# Altium PCB 2013_FDP_PCB.PcbDoc (part 2 of 2)
Units mil, origin at the board's own origin, x right, y up, seen from the top; angles counter-clockwise.
Board outline 2770 x 10236.22 mil, 4 copper layers (1-TOP, 2-GND, 3-SIGNAL, 4-BOT); 190 components, 185 nets, 812 pads, 235 vias.
Unrouted connection lines stored in the file: 2.
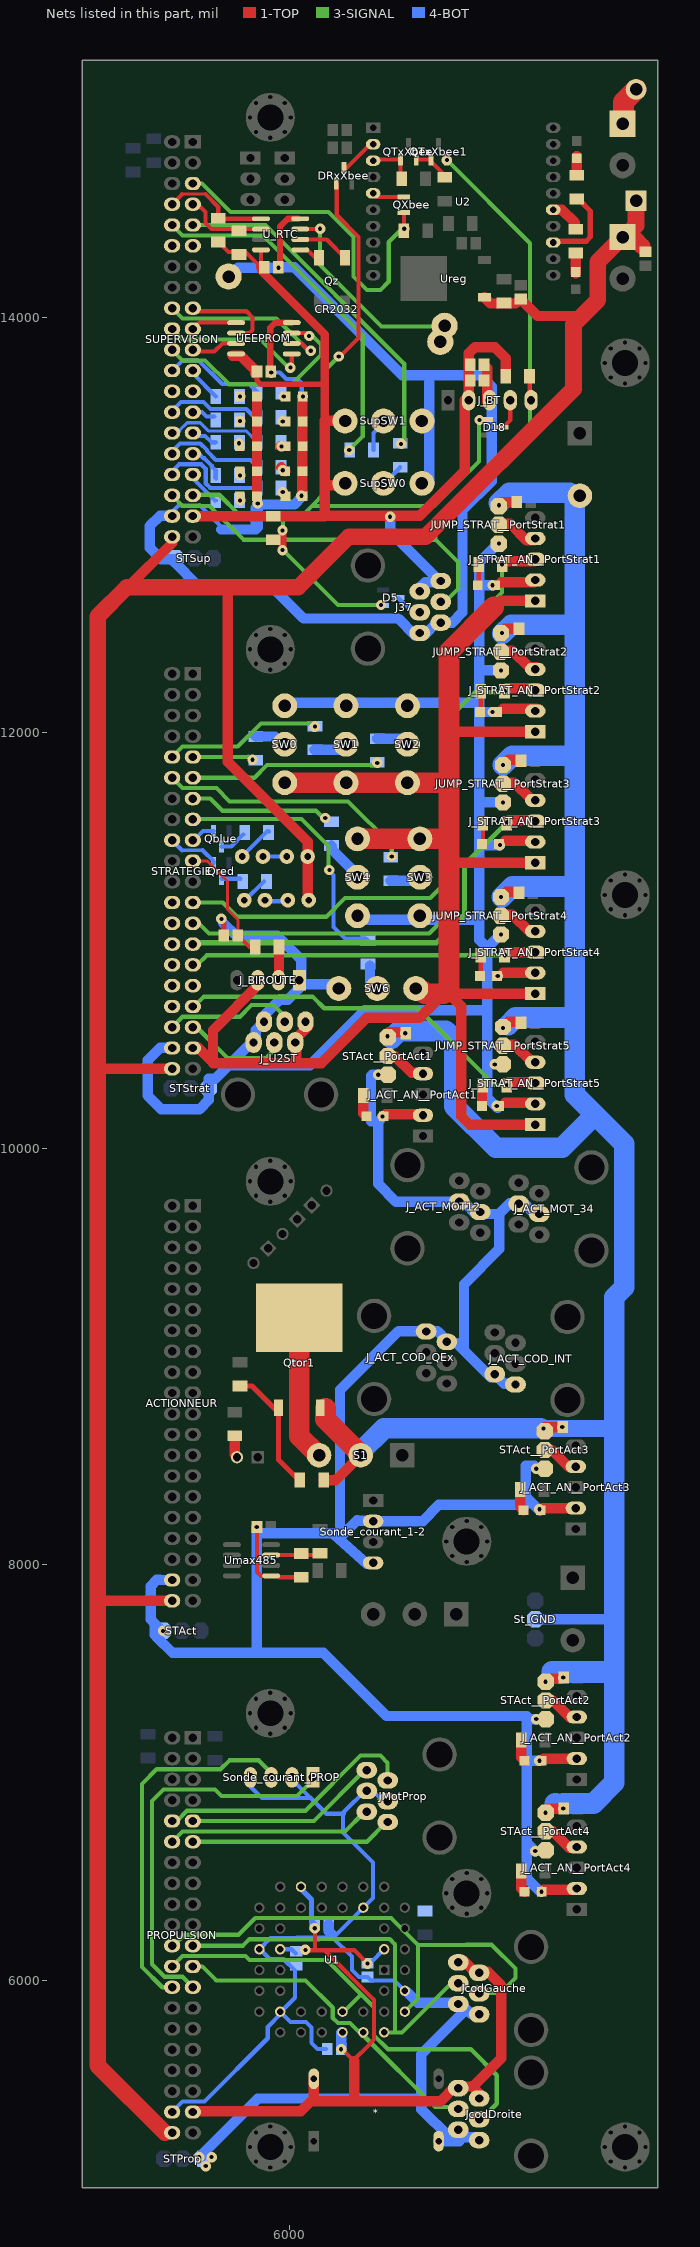
[diagram p4: the nets of this part, all layers, seen from the top]

## Via types
v1: diameter 50, hole 20, 1-TOP to 4-BOT, 235 vias

## Nets (pads, with @x,y where several pads share a name; then routed paths per layer and width w, separated by ;. In a path a pad name is that pad's centre, name@x,y a point inside that pad or via, vN(x,y) a via of type N, cw(c..) or ccw(c..) an arc to the next point about the centre after c; other vN are vias at no path point) (continued)
GND_24: Cd24strat_PortStrat1.2 Cd24strat_PortStrat2.2 Cd24strat_PortStrat3.2 Cd24strat_PortStrat4.2 Cd24strat_PortStrat5.2 CdAct__PortAct1.2 CdAct__PortAct2.2 CdAct__PortAct3.2 CdAct__PortAct4.2 JalimeBlal24V.2 JUMP_STRAT__PortStrat1.3 JUMP_STRAT__PortStrat2.3 JUMP_STRAT__PortStrat3.3 JUMP_STRAT__PortStrat4.3 JUMP_STRAT__PortStrat5.3 Qtor1.3 Rp_act1.2 S1.2 St_GND.2 STAct__PortAct1.3 STAct__PortAct2.3 STAct__PortAct3.3 STAct__PortAct4.3 | length 13356.6
  1-TOP w50: Rp_act1.2@6162.09,8405 6221,8405 S1.2@6320,8504 ; STAct__PortAct1.3@6460,10545 6475,10560 CdAct__PortAct1.2@6551.54,10560 ; STAct__PortAct1.3@6470,10535 STAct__PortAct1.3@6490,10555 ; JUMP_STRAT__PortStrat1.3@7005,13090 v1(7005,13095) 7020,13110 Cd24strat_PortStrat1.2@7091.54,13110 ; v1(7015,11210) 7040,11235 Cd24strat_PortStrat4.2@7096.54,11235 ; JUMP_STRAT__PortStrat2.3@7015,12480 7035,12500 Cd24strat_PortStrat2.2@7101.54,12500 ; JUMP_STRAT__PortStrat5.3@7025,10585 7050,10610 Cd24strat_PortStrat5.2@7106.54,10610 ; v1(7025,11845) 7050,11870 Cd24strat_PortStrat3.2@7106.54,11870 ; STAct__PortAct3.3@7210,8645 7225,8660 CdAct__PortAct3.2@7301.54,8660 ; STAct__PortAct2.3@7215,7435 7230,7450 CdAct__PortAct2.2@7306.54,7450 ; STAct__PortAct4.3@7225,6810 7240,6825 CdAct__PortAct4.2@7316.54,6825
  1-TOP w100: 6171,8751 6171,8697.46 S1.2@6348,8520.46
  3-SIGNAL w50: v1(7219,8653) v1@7220,8630
  4-BOT w50: St_GND.2@7180,7735 7555,7735 ; v1@7206,8654 v1(7219,8653)
  4-BOT w80: v1(7219,8653) 7554,8653
  4-BOT w100: S1.2@6338,8540 6452,8654 v1@7206,8654 ; v1@6490,10530 6525,10565 6750,10565 6790,10525 6790,10205 6991,10004 7309,10004 7451,10146 ; v1@7005,13105 7055,13155 7345,13155 7370,13130 7370,10260 7608,10022 7608,9948 ; v1@7020,11210 7070,11260 7345,11260 ; v1@7022.5,12477.5 7065,12520 7345,12520 ; v1(7025,11845) 7070,11890 7345,11890 ; 7050,10595 7085,10630 7345,10630 ; 7260,7485 7560,7485 ; 7275,6850 7280,6850 ; 7315,6850 7460,6850 7560,6950 7560,7485 ; 7315,7480 7555,7480 ; 7608,9939 7608,9333 7560,9285 7560,7485
  other v1: 7230,6805 7315,6825 7230,7435 7315,7455 7310,8660 6470,10540 6555,10555 7025,10580 7020,12480
GND_ACT: ACTIONNEUR.38 Cd_MAX485.1 D_Act_PortAct1.2 D_Act_PortAct2.2 D_Act_PortAct3.2 D_Act_PortAct4.2 J_ACT_AN__PortAct1.2 J_ACT_AN__PortAct2.2 J_ACT_AN__PortAct3.2 J_ACT_AN__PortAct4.2 J_ACT_COD_INT.5 J_ACT_COD_INT.6 J_ACT_COD_QEx.5 J_ACT_COD_QEx.6 J_ACT_MOT12.3 J_ACT_MOT12.4 J_ACT_MOT_34.3 J_ACT_MOT_34.4 Rb485-.1 Sonde_courant_1-2.2 Sonde_courant_1-2.4 STAct.1 STAct__PortAct1.1 STAct__PortAct2.1 STAct__PortAct3.1 STAct__PortAct4.1 Umax485.5 | length 11008.3
  1-TOP w20: Cd_MAX485.1@5841.54,8179.41 5841.54,7962.87 5860,7944.41 Umax485.5@5909.49,7944.41 ; Umax485.5@5947.09,7937.91 Rb485-.1@6055,7937.91
  1-TOP w50: D_Act_PortAct1.2@6451.34,10155 6461.34,10165 J_ACT_AN__PortAct1.2@6620,10165 ; J_ACT_MOT12.4@6815,9745 J_ACT_MOT12.4@6835,9745 ; J_ACT_MOT12.3@6905,9695 J_ACT_MOT12.3@6915,9695 ; D_Act_PortAct3.2@7206.34,8260 7216.34,8270 J_ACT_AN__PortAct3.2@7375,8270 ; D_Act_PortAct4.2@7211.34,6425 7221.34,6435 J_ACT_AN__PortAct4.2@7380,6435 ; D_Act_PortAct2.2@7211.34,7055 7221.34,7065 J_ACT_AN__PortAct2.2@7380,7065
  4-BOT w50: 5350,7660 5350,7715 ; 5360,7650 5435,7575 5840,7575 ; STAct.1@5385,7680 5350,7715 ; ACTIONNEUR.38@5433.07,7924.41 5375.59,7924.41 5375,7925 5360,7925 5330,7895 5330,7735 5350,7715 ; v1(5840,8180) 5840,8150 ; 6213,8142 Sonde_courant_1-2.4@6370,8002 ; 6268.5,8156.5 6241,8184 6241,8840 6522,9121 6710,9121 J_ACT_COD_QEx.5@6753,9078 ; 6319,8207 6262,8150 5840,8150 ; 6323,8211 6322,8210 6397,8210 Sonde_courant_1-2.2@6400,8207 ; Sonde_courant_1-2.2@6400,8208 6638,8208 6716,8286 7135,8286 7135,8475 ; v1@6450,10155 6425,10130 ; 6455,10355 v1(6425,10355) 6395,10355 6390,10350 6390,10130 6425,10130 ; J_ACT_COD_QEx.5@6802.5,9062.5 6837.5,9027.5 ; J_ACT_MOT12.4@6815,9745 6510,9745 6425,9830 6425,10130 ; J_ACT_MOT12.4@6845,9735 J_ACT_MOT12.3@6895,9685 ; J_ACT_MOT12.3@6915,9685 6990,9685 ; J_ACT_COD_INT.5@6965,8900 6837.5,9027.5 ; J_ACT_COD_INT.5@6977.5,8922.5 J_ACT_COD_INT.5@6985,8915 7031,8869 J_ACT_COD_INT.6@7097,8869 ; 7145,7055 v1(7200,7055) ; J_ACT_MOT_34.4@7173,9689 7126,9736 7057,9736 7007,9686 7007,9517 6837.5,9347.5 6837.5,9027.5 ; v1@7175,8475 7135,8475 ; v1(7180,6620) 7140,6660 ; v1(7185,7255) 7140,7255 ; v1@7200,8260 7135,8325 7135,8475 ; v1@7205,6425 7140,6490 7140,6660 ; 5840,7575 6160,7575 6465,7270 7140,7270 7140,7255 ; 5840,7575 5840,8150 ; 7140,6660 7140,7255
  other v1: 7210,6425 5390,7679.41 7200,8265 7185,8460 6445,10155
GND_PROP: *.7 Cd1_CPLD.1 Cd2_CPLD.1 Cd3_CPLD.1 Cd4_CPLD.1 JcodDroite.5 JcodDroite.6 JcodGauche.5 JcodGauche.6 JMotProp.3 JMotProp.4 PROPULSION.38 RrstCpld.1 Sonde_courant_PROP.2 Sonde_courant_PROP.4 STProp.1 U1.10 U1.22 U1.30 U1.42 | length 6713.2
  4-BOT w20: PROPULSION.38@5433.07,5365.35 5483.98,5416.27 5589.44,5416.27 5893.07,5719.9 5893.07,5774.15 5953.07,5834.15 U1.30@5953.07,5848.15 ; Sonde_courant_PROP.4@5810,6965 5810,6930 5865,6875 6100,6875 ; U1.30@5943.07,5848.15 U1.30@5953.07,5848.15 ; Sonde_courant_PROP.2@6010,6965 6175,6800 6255,6800 ; 6033.07,6201.61 5906.53,6201.61 U1.22@5853.07,6148.15 5856.85,6148.15 5905,6100 5970,6100 6025,6045 6025,5915 5958.15,5848.15 U1.30@5953.07,5848.15 ; 6034.61,6203.15 6208.07,6203.15 ; Cd3_CPLD.1@6173.07,5668.15 6133.07,5668.15 6103.07,5698.15 6103.07,5771.93 6076.85,5798.15 6003.07,5798.15 U1.30@5953.07,5848.15 ; 6260,6800 6255,6800 ; JMotProp.3@6370,6885 6370,6920 6255,6805 6255,6800 ; JMotProp.3@6405,6905 JMotProp.4@6450,6860 ; U1.42@6553.07,5948.15 6503.07,5998.15 6389.61,5998.15 Cd1_CPLD.1@6373.07,6014.69 6331.53,6014.69 6298.07,6048.15 6298.07,6113.15 6208.07,6203.15 ; 6208.07,6203.15 U1.10@6353.07,6348.15 6400,6395.08 6400,6565 6255,6710 6255,6800
  4-BOT w50: STProp.1@5575,5150 5575,5160 5845,5430 6630,5430 ; Cd4_CPLD.1@6186.53,6268.15 6186.53,6234.69 6203.07,6218.15 ; U1.42@6560,5945 6615,5890 6819,5890 6870.93,5838.07 JcodGauche.6@6926.85,5838.07 ; *.7@6715,5225 6815,5225 ; 6820,5240 JcodDroite.5@6816.93,5243.07 ; JcodGauche.5@6845.89,5857.11 6632,5643.22 6632,5379 6767.93,5243.07 JcodDroite.5@6816.93,5243.07 ; JcodDroite.6@6887.93,5243.07 JcodDroite.5@6816.93,5243.07
  other v1: 5595,5105 5563.07,5148.15 5623.07,5148.15
GND_STRAT: Cdbiroute.1 Dstrat_PortStrat1.2 Dstrat_PortStrat2.2 Dstrat_PortStrat3.2 Dstrat_PortStrat4.2 Dstrat_PortStrat5.2 J_BIROUTE.1 J_STRAT_AN__PortStrat1.2 J_STRAT_AN__PortStrat2.2 J_STRAT_AN__PortStrat3.2 J_STRAT_AN__PortStrat4.2 J_STRAT_AN__PortStrat5.2 J_U2ST.5 J_U2ST.6 JUMP_STRAT__PortStrat1.1 JUMP_STRAT__PortStrat2.1 JUMP_STRAT__PortStrat3.1 JUMP_STRAT__PortStrat4.1 JUMP_STRAT__PortStrat5.1 STRATEGIE.38 STStrat.1 SW0.NC1 SW1.NC1 SW2.NC1 SW3.NC1 SW4.NC1 SW6.NC1 | length 9248
  1-TOP w20: STRATEGIE.38@5433.07,10483.46 STRATEGIE.38@5456.37,10483.46
  1-TOP w25: v1@5670,11100 5681.54,11088.46 Cdbiroute.1@5681.54,11025
  1-TOP w50: 7016.34,12725 J_STRAT_AN__PortStrat1.2@7175,12725 ; 7026.34,10845 J_STRAT_AN__PortStrat4.2@7180,10845 J_STRAT_AN__PortStrat4.2@7185,10845 ; 7026.34,12115 J_STRAT_AN__PortStrat2.2@7185,12115 ; 7036.34,10220 J_STRAT_AN__PortStrat5.2@7195,10220 ; 7036.34,11480 J_STRAT_AN__PortStrat3.2@7195,11480
  4-BOT w50: STRATEGIE.38@5435,10485 5375,10485 5315,10425 5315,10255 5380,10190 5565,10190 5610,10235 STStrat.1@5610,10290 5610,10335 5640,10335 5705,10400 ; v1@5680,11085 5741.3,11023.7 5940,11023.7 6055,10908.7 J_BIROUTE.1@6055,10813.7 ; SW0.NC1@5990,12145 6910,12145 ; SW6.NC1@6240,10790 6065,10790 5990,10715 5950,10715 5865,10630 5865,10600 5835,10570 5835,10530 5705,10400 ; SW4.NC1@6330,11125 6355,11100 6910,11100 ; 6915,11460 v1(7010,11460) ; 6915,11665 v1(7025,11665) ; 6920,12300 v1(7015,12300) ; 6920,12710 v1(6975,12710) ; 6925,12100 v1(6975,12100) ; 6965,10830 v1(7000,10830) ; v1@7000,10195 6950,10245 6950,10665 ; v1@7005,12915 6910,12820 6910,12145 ; v1(7015,11030) 6950,10965 ; 5705,10400 6095,10400 6360,10665 6950,10665 ; 6910,11100 6910,12145 ; 6910,11100 6910,11005 6950,10965 ; 6950,10665 6950,10965
  other v1: 6995,10205 6985,10405 5670,11105 7005,12910
GND_SUP: Cd_BT_1.1 Cd_BT_2.1 Cd_EEPROM.1 Cd_RTC.1 CR2032.2 D4.2 D6.2 D7.2 D8.2 D9.2 D10.2 D13.2 D16.2 D17.2 D19.2 J37.5 J37.6 J_BT.3 STSup.1 SUPERVISION.38 SupSW0.NC1 SupSW1.NC1 U_RTC.4 UEEPROM.4 | length 8025
  1-TOP w20: Cd_EEPROM.1@5905,13738.07 Cd_EEPROM.1@5908.46,13738.07 ; Cd_RTC.1@5930,14253.07 Cd_RTC.1@5943.46,14253.07 ; Cd_RTC.1@5940,14249.61 Cd_RTC.1@5943.46,14253.07 ; Cd_RTC.1@5945,14254.61 Cd_RTC.1@5943.46,14253.07
  1-TOP w30: Cd_EEPROM.1@5905,13738.07 5905,13948.07 5930,13973.07 UEEPROM.4@6008.86,13973.07 ; Cd_RTC.1@5945,14254.61 5952,14261.61 5952,14435.07 5990,14473.07 U_RTC.4@6040,14473.07
  1-TOP w50: D19.2@5841.34,13158.07 D17.2@5841.34,13258.07 D16.2@5841.34,13378.07 D13.2@5841.34,13498.07 D9.2@5841.34,13598.07 ; D10.2@6060,13140 D4.2@6060,13618.07 ; Cd_BT_1.1@6933.46,13770 6950,13753.46 J_BT.3@6950,13595
  4-BOT w20: SUPERVISION.38@5425,13055 5463.43,13093.43 5560.69,13093.43 ; 5565,13095 5670,12990 5670,12978.07 ; v1(5910,13733) 5951,13733 5982,13702 6036,13702 6057,13681 v1@6057,13620
  4-BOT w50: SUPERVISION.38@5435,13045 5375,13045 5325,12995 5325,12890 5380,12835 STSup.1@5450,12835 ; STSup.1@5440,12825 5560,12705 5910,12705 6065,12550 6520,12550 6600,12470 6645,12470 6705,12530 J37.5@6725,12530 6780,12530 6830,12580 6830,13070 6971,13211 6971,13664 6915,13720 6540,13720 6020,14240 v1@5945,14240 ; 5670,12978.07 5835,12978.07 ; CR2032.2@5713,14201 5750.07,14238.07 v1@5935,14238.07 ; v1(5845,13103.07) 5845,12988.07 5835,12978.07 ; v1@6060,13138.07 6020,13098.07 5852.07,13098.07 5835,13081 5835,12978.07 ; SupSW0.NC1@6620,13195 SupSW0.NC1@6625,13200 ; SupSW0.NC1@6670,13200 6670,13685
  other v1: 6055,13140 6062,13618 5945,14237
NetCR2032_1: CR2032.1 U_RTC.3 | length 965.8
  1-TOP w20: U_RTC.3@6049.49,14423.07 v1@6138.07,14423.07
  3-SIGNAL w20: v1(6145,14425) 6145,14250 6440,13955 CR2032.1@6725,13955
NetD4_1: D4.1 R4.2
  other v1: 5970,13618.07
NetD5_3: D5.3 J37.4 | length 107.8
  4-BOT w20: D5.3@6525,12645 6580,12590 J37.4@6610,12590
NetD6_1: D6.1 R6.2 | length 2.3
  1-TOP w50: v1@5955,13378.07 D6.1@5957.32,13378.07
  other v1: 5960,13378.07
NetD7_1: D7.1 R7.2
  other v1: 5965,13498.07
NetD8_1: D8.1 R8.2 | length 28.3
  1-TOP w50: D8.1@5957.32,13278.07 D8.1@5977.32,13258.07
  other v1: 5965,13263.07
NetD9_1: D9.1 R9.2
  other v1: 5760,13618.07
NetD10_1: D10.1 R10.2
  other v1: 5965,13158.07
NetD13_1: D13.1 R11.2
  other v1: 5760,13500
NetD16_1: D16.1 R14.2
  other v1: 5755,13393.07
NetD17_1: D17.1 R15.2
  other v1: 5760,13238.07
NetD18_3: D18.3 J_BT.4 | length 145.5
  1-TOP w20: D18.3@7025,13469 7060,13504 J_BT.4@7060,13600
NetD19_1: D19.1 R16.2
  other v1: 5760,13118.07
NetD_Act_PortAct1_1: D_Act_PortAct1.1 RledAct_PortAct1.2 | length 106.5
  1-TOP w50: RledAct_PortAct1.2@6352.91,10255 6352.91,10170.75 D_Act_PortAct1.1@6368.66,10155
NetD_Act_PortAct2_1: D_Act_PortAct2.1 RledAct_PortAct2.2 | length 106.5
  1-TOP w50: RledAct_PortAct2.2@7112.91,7155 7112.91,7070.75 D_Act_PortAct2.1@7128.66,7055
NetD_Act_PortAct3_1: D_Act_PortAct3.1 RledAct_PortAct3.2 | length 106.5
  1-TOP w50: RledAct_PortAct3.2@7107.91,8360 7107.91,8275.75 D_Act_PortAct3.1@7123.66,8260
NetD_Act_PortAct4_1: D_Act_PortAct4.1 RledAct_PortAct4.2 | length 106.5
  1-TOP w50: RledAct_PortAct4.2@7112.91,6525 7112.91,6440.75 D_Act_PortAct4.1@7128.66,6425
NetDAssociateXbee_1: DAssociateXbee.1 RAssociateXbee.2 | length 96.6
  1-TOP w50: DAssociateXbee.1@7375,14211.34 RAssociateXbee.2@7375,14307.91
NetDBlue1_2: DBlue1.2 DBlue2.1 | length 125
  4-BOT w20: DBlue2.1@5870,11405 DBlue1.2@5995,11405
NetDBlue2_2: DBlue2.2 R13.2 | length 179.7
  4-BOT w20: DBlue2.2@5770,11405 5890,11525 R13.2@5900,11525
NetDprotect_1: Dprotect.1 J_8V_in.1 | length 189.9
  1-TOP w100: J_8V_in.1@7605,14930 7605,15035 Dprotect.1@7665,15095
NetDRed1_2: DRed1.2 DRed2.1 | length 115
  4-BOT w20: DRed2.1@5885,11190 DRed1.2@6000,11190
NetDRed2_2: DRed2.2 R12.2 | length 132.3
  4-BOT w20: DRed2.2@5780,11195 5785,11195 R12.2@5875,11285
NetDRxXbee_3: DRxXbee.3 U2.2 | length 171.6
  1-TOP w20: DRxXbee.3@6260,14717.4 6272.4,14717.4 U2.2@6385,14830
NetDstrat_PortStrat1_1: Dstrat_PortStrat1.1 RledStrat_PortStrat1.2 | length 101.8
  1-TOP w20: Dstrat_PortStrat1.1@6903.66,12710 6907.91,12714.25 RledStrat_PortStrat1.2@6907.91,12810
NetDstrat_PortStrat2_1: Dstrat_PortStrat2.1 RledStrat_PortStrat2.2 | length 101.8
  1-TOP w20: Dstrat_PortStrat2.1@6913.66,12100 6917.91,12104.25 RledStrat_PortStrat2.2@6917.91,12200
NetDstrat_PortStrat3_1: Dstrat_PortStrat3.1 RledStrat_PortStrat3.2 | length 101.8
  1-TOP w20: Dstrat_PortStrat3.1@6923.66,11465 6927.91,11469.25 RledStrat_PortStrat3.2@6927.91,11565
NetDstrat_PortStrat4_1: Dstrat_PortStrat4.1 RledStrat_PortStrat4.2 | length 101.8
  1-TOP w20: Dstrat_PortStrat4.1@6913.66,10830 6917.91,10834.25 RledStrat_PortStrat4.2@6917.91,10930
NetDstrat_PortStrat5_1: Dstrat_PortStrat5.1 RledStrat_PortStrat5.2 | length 101.8
  1-TOP w50: Dstrat_PortStrat5.1@6923.66,10205 6923.66,10300.75 RledStrat_PortStrat5.2@6927.91,10305
NetDXbee_1: DXbee.1 RXbee.2 | length 91.6
  1-TOP w50: RXbee.2@7380,14683.43 DXbee.1@7380,14775
NetJ_ACT_AN__PortAct1_4: J_ACT_AN__PortAct1.4 STAct__PortAct1.2 | length 183.1
  1-TOP w50: STAct__PortAct1.2@6470,10445 6505,10445 6585,10365 J_ACT_AN__PortAct1.4@6620,10365
NetJ_ACT_AN__PortAct2_4: J_ACT_AN__PortAct2.4 STAct__PortAct2.2 | length 183.1
  1-TOP w50: STAct__PortAct2.2@7230,7345 7265,7345 7345,7265 J_ACT_AN__PortAct2.4@7380,7265
NetJ_ACT_AN__PortAct3_4: J_ACT_AN__PortAct3.4 STAct__PortAct3.2 | length 183.1
  1-TOP w50: STAct__PortAct3.2@7225,8550 7260,8550 7340,8470 J_ACT_AN__PortAct3.4@7375,8470
NetJ_ACT_AN__PortAct4_4: J_ACT_AN__PortAct4.4 STAct__PortAct4.2 | length 183.1
  1-TOP w50: STAct__PortAct4.2@7230,6715 7265,6715 7345,6635 J_ACT_AN__PortAct4.4@7380,6635
NetJ_BIROUTE_2: J_BIROUTE.2 Rbiroute.2 | length 152.9
  1-TOP w50: J_BIROUTE.2@5947.09,10817.09 Rbiroute.2@5947.09,10970
NetJ_STRAT_AN__PortStrat1_4: J_STRAT_AN__PortStrat1.4 JUMP_STRAT__PortStrat1.2 | length 183.1
  1-TOP w50: JUMP_STRAT__PortStrat1.2@7025,13005 7060,13005 7140,12925 J_STRAT_AN__PortStrat1.4@7175,12925
NetJ_STRAT_AN__PortStrat2_4: J_STRAT_AN__PortStrat2.4 JUMP_STRAT__PortStrat2.2 | length 183.1
  1-TOP w50: JUMP_STRAT__PortStrat2.2@7035,12395 7070,12395 7150,12315 J_STRAT_AN__PortStrat2.4@7185,12315
NetJ_STRAT_AN__PortStrat3_4: J_STRAT_AN__PortStrat3.4 JUMP_STRAT__PortStrat3.2 | length 183.1
  1-TOP w50: JUMP_STRAT__PortStrat3.2@7045,11760 7080,11760 7160,11680 J_STRAT_AN__PortStrat3.4@7195,11680
NetJ_STRAT_AN__PortStrat4_4: J_STRAT_AN__PortStrat4.4 JUMP_STRAT__PortStrat4.2 | length 183.1
  1-TOP w50: JUMP_STRAT__PortStrat4.2@7035,11125 7070,11125 7150,11045 J_STRAT_AN__PortStrat4.4@7185,11045
NetJ_STRAT_AN__PortStrat5_4: J_STRAT_AN__PortStrat5.4 JUMP_STRAT__PortStrat5.2 | length 183.1
  1-TOP w50: JUMP_STRAT__PortStrat5.2@7045,10500 7080,10500 7160,10420 J_STRAT_AN__PortStrat5.4@7195,10420
NetQblue_3: Qblue.3 R13.1 | length 128.8
  4-BOT w20: Qblue.3@5670,11452.6 5717.6,11452.6 R13.1@5775,11510
NetQred_3: Qred.3 R12.1 | length 92.4
  4-BOT w20: Qred.3@5670,11297.6 R12.1@5762.4,11297.6
NetQtor1_1: Qtor1.1 Rp_act1.1 RQ_act1.1 | length 591.8
  1-TOP w25: RQ_act1.1@5771,8858 5818,8858 5945,8731 5945,8503 Rp_act1.1@6042,8406
NetQTxXbee1_1: QTxXbee1.1 QTxXbee.2 RTxXbee1.2 | length 175.7
  1-TOP w20: QTxXbee.2@6607.4,14757.6 QTxXbee1.1@6677.6,14757.6 6677.6,14747.4 RTxXbee1.2@6745,14680
NetQTxXbee_1: QTxXbee.1 RTxXbee.2 U2.3 | length 215.2
  1-TOP w20: U2.3@6402.6,14757.6 QTxXbee.1@6532.6,14757.6 RTxXbee.2@6532.6,14672.4
NetQXbee_1: QXbee.1 U2.5 | length 157
  1-TOP w20: U2.5@6400,14600 6422.6,14577.4 QXbee.1@6547.6,14577.4
NetQz_1: Qz.1 U_RTC.1 | length 95.4
  1-TOP w20: U_RTC.1@6079.49,14328.07 6127.56,14280 Qz.1@6155,14280
NetQz_4: Qz.4 U_RTC.2 | length 277
  1-TOP w20: U_RTC.2@6049.49,14373.07 6140,14373.07 ; 6165,14373.07 6140,14373.07 ; Qz.4@6265,14285 6176.93,14373.07 6140,14373.07
NetRAssociateXbee_1: RAssociateXbee.1 U2.15 | length 159.2
  1-TOP w50: U2.15@7266.14,14516.3 7308.7,14516.3 7370,14455 RAssociateXbee.1@7370,14425
NetRb485+_2: Rb485+.2 Rb485-.2 Umax485.7 | length 244.5
  1-TOP w20: Umax485.7@5909.49,8044.41 Rb485+.2@6154,8044.41
NetRsE0_2: RsE0.2 SW0.COMMON1 | length 145.4
  4-BOT w50: RsE0.2@5835,11982.09 5927.91,11982.09 SW0.COMMON1@5965,11945
NetRsE1_2: RsE1.2 SW1.COMMON1 | length 159.1
  4-BOT w50: RsE1.2@6120,11917.91 6247.91,11917.91 SW1.COMMON1@6270,11940
NetRsE2_2: RsE2.2 SW2.COMMON1 | length 151.2
  4-BOT w50: RsE2.2@6420,11972.09 6532.91,11972.09 SW2.COMMON1@6560,11945
NetRsE3_2: RsE3.2 SW3.COMMON1 | length 132.1
  4-BOT w50: RsE3.2@6485,11287.91 6592.91,11287.91 SW3.COMMON1@6610,11305
NetRsE4_2: RsE4.2 SW4.COMMON1 | length 194.7
  4-BOT w50: RsE4.2@6200,11457.91 6200,11440 SW4.COMMON1@6325,11315
NetRsE6_2: RsE6.2 SW6.COMMON1 | length 112.9
  4-BOT w50: SW6.COMMON1@6385,10767.09 RsE6.2@6385,10880
NetRsuE0_2: RsuE0.2 SupSW0.COMMON1 | length 116.1
  4-BOT w20: SupSW0.COMMON1@6450,13195 6530,13275 RsuE0.2@6530,13277.91
NetRsuE1_2: RsuE1.2 SupSW1.COMMON1 | length 135.7
  4-BOT w20: RsuE1.2@6402.09,13360 6402.09,13442.09 SupSW1.COMMON1@6440,13480
NetRXbee_1: RXbee.1 U2.13 | length 409.1
  1-TOP w25: U2.13@7266.14,14358.82 7272.32,14365 7425,14365 7445,14385 7445,14510 RXbee.1@7390,14565 ; RXbee.1@7380,14577.91 RXbee.1@7391.73,14566.18
PROP_5V: *.14 Cd1_CPLD.2 Cd2_CPLD.2 Cd3_CPLD.2 Cd4_CPLD.2 JcodDroite.1 JcodDroite.2 JcodGauche.1 JcodGauche.2 PROPULSION.37 U1.3 U1.15 U1.23 U1.35 | length 4247.7
  1-TOP w20: U1.15@6053.07,6448.15 U1.15@6063.07,6448.15 ; v1@6085,6143.15 6309.85,6143.15 v1@6373,6080 ; 6121,6143.15 v1@6121,6248 ; 6166.85,6143.15 6405,5905 6405,5715 6385,5695 6385,5693 6306.22,5614.22 6306.22,5613.22 ; v1@6255.44,5664 6306.22,5613.22 ; 6310,5609.44 6306.22,5613.22
  1-TOP w50: PROPULSION.37@5525,5370 5526.85,5368.15 6051.15,5368.15 6107,5424 ; 6109,5417 6725,5417 6796,5488 6872.92,5488 6874.92,5490 ; 6115,5417 *.14@6115,5522 ; 6310,5419 6310,5609.44 ; JcodGauche.1@6796,6088.07 6841.93,6088.07 6889.61,6040.39 6950.61,6040.39 7017,5974 7017,5623 6882,5488 6881.93,5488.07 6876.85,5488.07 6909,5455.92 JcodDroite.2@6909,5443
  4-BOT w20: U1.23@5953.07,6148.15 6008.07,6148.15 Cd2_CPLD.2@6028.07,6128.15 ; U1.35@6248.07,5738.15 U1.35@6258.07,5748.15 ; Cd1_CPLD.2@6373.07,6081.61 6386.53,6081.61 U1.3@6453.07,6148.15
  4-BOT w25: U1.15@6053.07,6453.15 U1.15@6053.07,6448.15 6053.07,6438.15 6103.07,6388.15 6103.07,6284.69 Cd4_CPLD.2@6119.61,6268.15
  4-BOT w50: Cd3_CPLD.2@6246.53,5668.15 6246.53,5746.53 U1.35@6250,5750
  other v1: 6246,5667 6373,6079 6074,6145 6119,6249
PROP_AN2: PROPULSION.26 Sonde_courant_PROP.3 | length 1821.6
  3-SIGNAL w20: PROPULSION.26@5433.07,5965.35 5385.65,5965.35 5288,6063 5288,6943 5359,7014 5666,7014 5709,7057 5850,7057 5910,6997 Sonde_courant_PROP.3@5910,6935
PROP_AN3: PROPULSION.25 Sonde_courant_PROP.1 | length 1926.9
  1-TOP w20: PROPULSION.25@5515.65,5965.35 PROPULSION.25@5533.07,5965.35
  3-SIGNAL w20: PROPULSION.25@5533.07,5965.35 5482.43,6016 5397,6016 5337,6076 5337,6862 5392,6917 5640,6917 5671,6886 6033,6886 6127,6980 Sonde_courant_PROP.1@6110,6980
PROP_C1A: JcodGauche.3 PROPULSION.21 U1.39 | length 1876.9
  3-SIGNAL w20: PROPULSION.21@5533.07,6165.35 5773.35,6165.35 5804,6196 6140,6196 ; 6133,6197 6480,6197 6505,6172 6505,5748.15 ; U1.39@6453.07,5748.15 6539.15,5748.15 6781,5990 JcodGauche.3@6804,5990
PROP_C1B: JcodGauche.4 PROPULSION.22 U1.40 | length 2428.7
  3-SIGNAL w20: PROPULSION.22@5433.07,6165.35 5440.35,6165.35 5493,6218 5753,6218 5833,6298 6487,6298 6616,6169 ; U1.40@6553.07,5843.15 U1.40@6558.07,5848.15 ; U1.40@6553.07,5848.15 6616,5911.08 6616,6169 ; 6616,6171 6616,6169 ; 6850,6170 6970,6170 7085,6055 7085,6010 7013.07,5938.07 JcodGauche.4@6908,5938.07 ; 6863,6169 6616,6169
PROP_C2A: JcodDroite.3 PROPULSION.23 U1.37 | length 1571.7
  3-SIGNAL w20: PROPULSION.23@5533.07,6065.35 5578.35,6065.35 5645.71,5998 6075,5998 6206,5867 6206,5818 6231,5793 6289,5793 U1.37@6346,5736 ; U1.37@6347,5732 6355,5732 6697,5390 JcodDroite.3@6799,5390
PROP_C2B: JcodDroite.4 PROPULSION.24 U1.36 | length 2278.7
  3-SIGNAL w20: PROPULSION.24@5441.65,6065.35 PROPULSION.24@5433.07,6065.35 5483.72,6116 5786,6116 5805,6097 6177,6097 6403,5871 ; U1.36@6253.07,5848.15 6259.15,5848.15 6339,5928 ; 6405,5870 6405,5734 6472,5667 6870,5667 6995,5542 6995,5405 6939,5349 JcodDroite.4@6939,5312
PROP_PWM1: JMotProp.2 PROPULSION.10 | length 1262.5
  3-SIGNAL w20: PROPULSION.10@5433.07,6765.35 5456.37,6765.35 5505.46,6814.44 5560.69,6814.44 ; 5561.25,6815 5560.69,6814.44 ; JMotProp.2@6470,6965 6470,7045 6435,7080 6340,7080 6074.44,6814.44 5560.69,6814.44
PROP_PWM2: JMotProp.5 PROPULSION.12 | length 979.8
  3-SIGNAL w20: PROPULSION.12@5433.07,6665.35 5482.72,6715 6265,6715 JMotProp.5@6355,6805
PROP_SENS1: JMotProp.1 PROPULSION.9 | length 921.2
  3-SIGNAL w20: PROPULSION.9@5533.07,6765.35 6115.35,6765.35 JMotProp.1@6355,7005
PROP_SENS2: JMotProp.6 PROPULSION.11 | length 971.1
  3-SIGNAL w20: PROPULSION.11@5533.07,6665.35 6370.35,6665.35 JMotProp.6@6465,6760
RA15: QXbee.2 RpXbee.1 SUPERVISION.5 | length 1664.4
  1-TOP w20: QXbee.2@6540,14505 6547.91,14497.09 RpXbee.1@6547.91,14415
  3-SIGNAL w20: SUPERVISION.5@5533.07,14642.52 5577.48,14642.52 5715,14505 6155,14505 6185,14505 6305,14385 6305,14195 6370,14130 6435,14130 6475,14170 6475,14360 v1@6545,14430
  other v1: 6550,14425
RB2: SUPERVISION.26
RB3: SUPERVISION.25
RB4: R4.1 SUPERVISION.24 | length 525
  4-BOT w20: SUPERVISION.24@5456.37,13742.52 SUPERVISION.24@5433.07,13742.52 5482.16,13791.61 5560.69,13791.61 5674.3,13677.99 5802.99,13677.99 R4.1@5842.91,13638.07 ; R4.1@5830,13638.07 R4.1@5837.91,13638.07
RB5: R9.1 SUPERVISION.23 | length 169.9
  4-BOT w20: SUPERVISION.23@5533.07,13742.52 5533.07,13727.91 R9.1@5642.91,13618.07
RB8: R10.1 SUPERVISION.34 | length 511.1
  4-BOT w20: SUPERVISION.34@5435,13260 5466.61,13291.61 5573.39,13291.61 5595,13270 5595,13200 5616.93,13178.07 R10.1@5842.91,13178.07 R10.1@5845,13178.07
RB9: R16.1 SUPERVISION.33 | length 162
  4-BOT w20: SUPERVISION.33@5540,13235 5540,13216.82 5638.75,13118.07 R16.1@5642.91,13118.07
RB10: R8.1 SUPERVISION.32 | length 467.5
  4-BOT w20: SUPERVISION.32@5435,13355 5471.61,13391.61 5568.39,13391.61 5600.32,13359.68 5600.32,13355.6 5642.85,13313.07 5810,13313.07 R8.1@5840,13283.07
RB11: R15.1 SUPERVISION.31 | length 169.2
  4-BOT w20: SUPERVISION.31@5540,13340 5565,13340 5584.48,13320.52 5589.48,13320.52 5623.44,13286.56 5623.44,13281.56 5642.91,13262.09 R15.1@5642.91,13238.07 ; R15.1@5640,13228.07 R15.1@5645,13223.07
RB12: R6.1 SUPERVISION.30 | length 490.1
  4-BOT w15: SUPERVISION.30@5468.85,13455 5505.46,13491.61 5568.39,13491.61 5607.43,13452.57 5788.42,13452.57 R6.1@5842.91,13398.07
  4-BOT w20: SUPERVISION.30@5430,13455 SUPERVISION.30@5468.85,13455 ; SUPERVISION.30@5433.07,13442.52 SUPERVISION.30@5456.37,13442.52
RB13: R14.1 SUPERVISION.29 | length 128.3
  4-BOT w20: SUPERVISION.29@5533.07,13442.52 5547.59,13428 5592,13428 5621.93,13398.07 R14.1@5642.91,13398.07
RB14: R7.1 SUPERVISION.28 | length 471.8
  4-BOT w20: SUPERVISION.28@5433.07,13542.52 SUPERVISION.28@5456.37,13542.52 ; SUPERVISION.28@5440,13555 5475.58,13590.58 5504.42,13590.58 5505.46,13591.61 5584.31,13591.61 5618.49,13557.43 5789.72,13557.43 5829.08,13518.07 R7.1@5842.91,13518.07
RB15: R11.1 SUPERVISION.27 | length 111.6
  4-BOT w20: SUPERVISION.27@5533.07,13542.52 5577.48,13542.52 5598,13522 R11.1@5636.18,13522
RE8: SUPERVISION.21 UEEPROM.7 | length 216.6
  1-TOP w20: SUPERVISION.21@5533.07,13842.52 5541.56,13834.04 5635.96,13834.04 5675,13873.07 UEEPROM.7@5730,13873.07
RE9: SUPERVISION.22 UEEPROM.3 | length 1057.9
  1-TOP w20: UEEPROM.3@6008.86,13923.07 v1@6095,13923.07
  3-SIGNAL w20: SUPERVISION.22@5433.07,13842.52 5483.98,13791.61 5591.39,13791.61 5706,13677 6009,13677 6150,13818 6150,13868.07 v1@6095,13923.07
  other v1: 6092,13909
REMOTE_SERVO: Remote.2 RremoteServo.2 | length 88.9
  1-TOP w50: Remote.2@5735,8529 RremoteServo.2@5735,8617.91
SCK2: SUPERVISION.17 UEEPROM.6 | length 450.4
  1-TOP w20: SUPERVISION.17@5533.07,14042.52 5547.52,14028.07 5790,14028.07 5820,13998.07 5820,13938.07 5805,13923.07 UEEPROM.6@5741.14,13923.07
SCL: Rscl.1 SUPERVISION.7 U_RTC.6 | length 408.3
  1-TOP w20: SUPERVISION.7@5533.07,14542.52 5556.03,14542.52 5593.55,14505 5593.55,14451.45 5600,14445 5600.09,14445 5622.02,14423.07 U_RTC.6@5860.51,14423.07
SDA: Rsda.1 SUPERVISION.8 U_RTC.5 | length 525.2
  1-TOP w16: 5482.16,14591.61 5593.39,14591.61
  1-TOP w20: SUPERVISION.8@5433.07,14542.52 5482.16,14591.61 ; 5593.39,14591.61 5655,14530 Rsda.1@5655,14478.07 ; Rsda.1@5655,14473.07 U_RTC.5@5860.51,14473.07
SDI2: SUPERVISION.18 UEEPROM.2 | length 861.1
  1-TOP w20: UEEPROM.2@6008.86,13873.07 6054.93,13873.07 v1@6098.5,13829.5
  3-SIGNAL w20: SUPERVISION.18@5433.07,14042.52 5482.59,13993 5934,13993 v1@6098,13829
  other v1: 6100,13838
SDO2: SUPERVISION.19 UEEPROM.5 | length 220.7
  1-TOP w20: SUPERVISION.19@5533.07,13942.52 5563.62,13973.07 UEEPROM.5@5741.14,13973.07
SS2: SUPERVISION.20 UEEPROM.1 | length 703.4
  1-TOP w20: v1@6008.86,13762.86 UEEPROM.1@6008.86,13823.07
  3-SIGNAL w20: SUPERVISION.20@5433.07,13942.52 5465.8,13909.8 5483.98,13891.61 5858.39,13891.61 v1@5997.5,13752.5
  other v1: 6002,13757
STRAT_5V: J_BIROUTE.3 J_STRAT_AN__PortStrat1.1 J_STRAT_AN__PortStrat2.1 J_STRAT_AN__PortStrat3.1 J_STRAT_AN__PortStrat4.1 J_STRAT_AN__PortStrat5.1 J_U2ST.1 J_U2ST.2 STRATEGIE.37 SW0.NO1 SW1.NO1 SW2.NO1 SW3.NO1 SW4.NO1 SW6.NO1 | length 7683.6
  1-TOP w50: STRATEGIE.37@5545,10485 5560,10485 5620,10425 5630,10425 ; J_BIROUTE.3@5855,10795 5630,10570 5630,10425 ; J_U2ST.1@6085,10585 6030,10530 6030,10410 ; 6775,11375 J_STRAT_AN__PortStrat3.1@7180,11375 ; 6780,12005 J_STRAT_AN__PortStrat2.1@7180,12005 ; 6985,12605 7015,12635 J_STRAT_AN__PortStrat1.1@7180,12635 ; J_STRAT_AN__PortStrat4.1@7180,10745 6765,10745 ; J_STRAT_AN__PortStrat5.1@7185,10115 J_STRAT_AN__PortStrat5.1@7180,10115 6865,10115 6825,10155 6825,10685 6765,10745 ; 5630,10425 5630,10410 6030,10410 ; 6030,10410 6150,10410 6370,10630 6625,10630 6740,10745 6765,10745
  1-TOP w100: SW0.NO1@5980,11760.04 6729.96,11760.04 ; SW4.NO1@6330,11490.04 SW3.NO1@6625,11490.04 6754.96,11490.04 ; SW6.NO1@6635,10760 6650,10745 6740,10745 ; 6765,10775 6765,12390 6980,12605
STRAT_AN2: STRATEGIE.26
STRAT_AN4: STRATEGIE.24
STRAT_AN8: STRATEGIE.34
STRAT_AN10: STRATEGIE.32
STRAT_AN11: STRATEGIE.31
STRAT_AN12: STRATEGIE.30
STRAT_AN14: STRATEGIE.28
STRAT_IN_OUT1: J_STRAT_AN__PortStrat1.3 RledStrat_PortStrat1.1 STRATEGIE.23 | length 3112.5
  1-TOP w50: RledStrat_PortStrat1.1@7022.09,12815 7032.09,12825 J_STRAT_AN__PortStrat1.3@7175,12825
  3-SIGNAL w20: STRATEGIE.23@5533.07,11183.46 5676.54,11183.46 5745,11115 6175,11115 6265,11205 6675,11205 6740,11270 6740,12395 7020,12675 v1(7020,12810)
STRAT_IN_OUT2: J_STRAT_AN__PortStrat2.3 RledStrat_PortStrat2.1 STRATEGIE.25 | length 2683.9
  1-TOP w50: RledStrat_PortStrat2.1@7032.09,12205 7042.09,12215 J_STRAT_AN__PortStrat2.3@7185,12215
  3-SIGNAL w20: STRATEGIE.25@5560,11085 5610,11035 6670,11035 6795,11160 6795,12100 6890,12195 v1@7035,12195
  other v1: 7035,12200
STRAT_IN_OUT3: J_STRAT_AN__PortStrat3.3 RledStrat_PortStrat3.1 STRATEGIE.27 | length 2042
  1-TOP w50: RledStrat_PortStrat3.1@7040,11565 7055,11580 J_STRAT_AN__PortStrat3.3@7195,11580
  3-SIGNAL w25: STRATEGIE.27@5545,10990 6705,10990 6840,11125 6840,11365 v1(7045,11570)
STRAT_IN_OUT4: J_STRAT_AN__PortStrat4.3 RledStrat_PortStrat4.1 STRATEGIE.29 | length 1669.8
  1-TOP w50: RledStrat_PortStrat4.1@7032.09,10935 7042.09,10945 J_STRAT_AN__PortStrat4.3@7180,10945 J_STRAT_AN__PortStrat4.3@7185,10945
  3-SIGNAL w20: STRATEGIE.29@5550,10880 5600,10930 5630,10930 v1(7035,10930) v1@7040,10925
STRAT_IN_OUT5: J_STRAT_AN__PortStrat5.3 RledStrat_PortStrat5.1 STRATEGIE.33 | length 1878.1
  1-TOP w50: RledStrat_PortStrat5.1@7042.09,10310 7052.09,10320 J_STRAT_AN__PortStrat5.3@7195,10320
  3-SIGNAL w20: STRATEGIE.33@5533.07,10683.46 5541.54,10675 5541.54,10686.54 5585,10730 6110,10730 6165,10675 6615,10675 6985,10305 v1(7045,10305)
STRAT_RE0: RsE0.1 STRATEGIE.9 | length 295.1
  3-SIGNAL w20: STRATEGIE.9@5533.07,11883.46 5800.03,11884.78 v1@5820,11865
  other v1: 5820,11870
STRAT_RE1: RsE1.1 STRATEGIE.10 | length 748.8
  3-SIGNAL w20: STRATEGIE.10@5433.07,11883.46 5483.61,11934 5749,11934 5860,12045 v1@6115,12045
  other v1: 6120,12030
STRAT_RE2: RsE2.1 STRATEGIE.11 | length 922.4
  3-SIGNAL w20: STRATEGIE.11@5533.07,11783.46 5828.46,11783.46 5890,11845 v1@6430,11845
  other v1: 6420,11855
STRAT_RE3: RsE3.1 STRATEGIE.12 | length 1250.9
  3-SIGNAL w20: STRATEGIE.12@5433.07,11783.46 5482.54,11734 5646,11734 5710,11670 6280,11670 6490,11460 v1@6490,11400
  other v1: 6490,11405
STRAT_RE4: RsE4.1 STRATEGIE.13 | length 672.7
  3-SIGNAL w20: STRATEGIE.13@5533.07,11683.46 5616.54,11683.46 5675,11625 6125,11625 v1@6165,11585
  other v1: 6170,11590
STRAT_RE6: RsE6.1 STRATEGIE.15 | length 1290.8
  3-SIGNAL w20: STRATEGIE.15@5533.07,11583.46 5534.61,11585 6055,11585 6185,11455 v1@6185,11355
  4-BOT w20: v1@6185,11340 6210,11315 6210,11065 6265,11010 6365,11010 RsE6.1@6380,10995
  other v1: 6190,11340
STRAT_RG6_BLUE: Qblue.1 STRATEGIE.17 | length 110.2
  4-BOT w20: STRATEGIE.17@5540,11485 5582.4,11527.4 Qblue.1@5632.6,11527.4
STRAT_RG7_RED: Qred.1 STRATEGIE.18 | length 241
  4-BOT w16: 5480,11435 5580,11435
  4-BOT w20: STRATEGIE.18@5440,11475 5480,11435 ; 5580,11435 5632.6,11382.4 Qred.1@5632.6,11372.4
STRAT_RG8_DEM: Cdbiroute.2 Rbiroute.1 STRATEGIE.19 | length 609
  1-TOP w15: STRATEGIE.19@5536.54,11380 STRATEGIE.19@5533.07,11383.46 5601.54,11383.46 5700,11285 5700,11150 5750,11100 Cdbiroute.2@5750,11025
  1-TOP w20: Cdbiroute.2@5750,11025 5805,10970 Rbiroute.1@5830,10970 ; Rbiroute.1@5830,10965 Rbiroute.1@5830,10970 ; Rbiroute.1@5830,10975 Rbiroute.1@5830,10970 ; Rbiroute.1@5832.91,10970 Rbiroute.1@5830,10970
SUP_5V: Cd_BT_1.2 Cd_BT_2.2 Cd_EEPROM.2 Cd_RTC.2 J37.1 J37.2 J_BT.2 RpuTx.1 Rscl.2 Rsda.2 Ru2rx_Sup.2 SUPERVISION.37 SupSW0.NO1 SupSW1.NO1 U_RTC.8 UEEPROM.8 | length 5159.4
  1-TOP w20: Rsda.2@5660,14358.07 5705,14313.07 5786.54,14313.07 5861,14238.61 5861.54,14238.07 5861.54,14321.53 U_RTC.8@5860,14323.07
  1-TOP w25: Cd_EEPROM.2@5841.54,13738.07 5841.54,13694.46 5859,13677 6165,13677
  1-TOP w40: Cd_RTC.2@5861,14238.61 5861,14223 6168,13916 6168,13502
  1-TOP w50: SUPERVISION.37@5533.07,13042.52 5588.48,13042.52 5589,13042 6165,13042 6168,13045 ; UEEPROM.8@5725,13813.07 5763.93,13813.07 5833.47,13743.53 5833.47,13730 Cd_EEPROM.2@5841.54,13738.07 ; Cd_RTC.2@5861,14238.61 Cd_RTC.2@5861,14240 ; SupSW0.NO1@6249,13191 6168,13191 ; SupSW1.NO1@6257,13502 6168,13502 6168,13191 ; J_BT.2@6841,13599 6841,13261 6625,13045 6168,13045 ; J_BT.2@6860,13595 J_BT.2@6860,13600 6860,13825 6890,13855 6985,13855 7037.91,13802.09 RpuTx.1@7037.91,13715 ; 6168,13045 6168,13191
  4-BOT w25: SUPERVISION.37@5540,13035 SUPERVISION.37@5543.07,13035
  4-BOT w50: v1@6483,13039 6483,12967 6725,12725 6650,12725 J37.2@6625,12700
  other v1: 6482,13039
SUP_RE0: RsuE0.1 SUPERVISION.9 | length 1673.4
  3-SIGNAL w20: SUPERVISION.9@5533.07,14442.52 5882.48,14442.52 6550,13775 v1@6550,13395
  other v1: 6535,13390
SUP_RE1: RsuE1.1 SUPERVISION.10 | length 1716.2
  3-SIGNAL w20: SUPERVISION.10@5433.07,14442.52 5482.59,14393 5870,14393 6350,13913 6350,13425 v1(6285,13360)
SUP_RE2: SUPERVISION.11
SUP_RE3: SUPERVISION.12
SUP_U2RX: D5.1 D18.1 DRxXbee.1 Ru2rx_Sup.1 SUPERVISION.35 | length 4138.7
  1-TOP w20: DRxXbee.1@6222.6,14642.6 6225,14640.2 6225,14490 6330,14385 6330,13900 v1@6240,13810
  1-TOP w40: v1(5964,12879) v1@5964,12971
  3-SIGNAL w20: SUPERVISION.35@5533.07,13145 5660,13145 5755,13050 6065,13050 6106,13091 ; v1@5967,12975 5967,13049 ; v1@5969,12877 6231,12615 v1@6429,12615 ; v1@6232.5,13807.5 6170,13745 6170,13155 6106,13091 ; v1@6910,13504 6910,13305 6696,13091 6106,13091
  other v1: 6438,12615 5964,12974 6912,13505 6235,13810
SUP_U2TX: J37.3 J_BT.5 QTxXbee1.2 RpuTx.2 SUPERVISION.36 | length 4024.2
  1-TOP w20: J_BT.5@7152.09,13602.91 RpuTx.2@7152.09,13715
  3-SIGNAL w20: SUPERVISION.36@5430,13145 5483.39,13091.61 5613.39,13091.61 5776,12929 6701,12929 6810,12820 6810,12695 J37.3@6745,12630 ; 6699,12929 6699,12999 7155,13455 7155,14355 v1(6755,14755)
TOR1: Qtor1.2 S1.3 | length 692.2
  1-TOP w100: Qtor1.2@6045,9186.54 6045,8616 S1.3@6131,8530
U2RX_STRAT: J_U2ST.4 STRATEGIE.35 | length 491.2
  3-SIGNAL w20: STRATEGIE.35@5533.07,10583.46 5551.54,10583.46 5700,10435 5885,10435 J_U2ST.4@5940,10490
U2TX_STRAT: J_U2ST.3 STRATEGIE.36 | length 615.9
  3-SIGNAL w20: STRATEGIE.36@5433.07,10583.46 5483.61,10634 5759,10634 5815,10690 5920,10690 J_U2ST.3@5980,10630
VCC: ACTIONNEUR.40 CdVcc.2 Cin2.2 Cin.2 DBlue1.1 Dprotect.2 DRed1.1 JalimBal.1 PROPULSION.40 STRATEGIE.40 SUPERVISION.40 Ureg.1 | length 14746.6
  1-TOP w50: 5080,12560 5220,12700 5433.07,12913.07 SUPERVISION.40@5433.07,12942.52 ; 5090,10383.46 STRATEGIE.40@5433.07,10383.46 ; 5100,7824.41 ACTIONNEUR.40@5433.07,7824.41 ; PROPULSION.40@5398.65,5265.35 PROPULSION.40@5433.07,5265.35 ; 5700,12690 5700,11860 6085,11475 DBlue1.1@6085,11405 DRed1.1@6085,11190 ; Ureg.1@6935.67,14095.04 6965.71,14065 7085,14065 Cin2.2@7100,14080 ; Cin2.2@7110,14086.54 7191.54,14005 7405,14005 7415,14005
  1-TOP w80: 5080,12560 5075,12560 ; PROPULSION.40@5398.65,5265.35 5075,5589 5075,12560 ; JalimBal.1@7600,14385 7480,14265 7480,14080 7405,14005 7364,13964 7364,13654 6653,12943 6283,12943 6040,12700 5220,12700 5215,12700 5075,12560 ; Dprotect.2@7665,14560 7665,14440 7600,14375 7660,14375 7695,14340
pads on no net: *.0 *.1 D5.2 D18.2 DRxXbee.2 J37.FIX1 J37.FIX2 J_ACT_COD_INT.FIX1 J_ACT_COD_INT.FIX2 J_ACT_COD_QEx.FIX1 J_ACT_COD_QEx.FIX2 J_ACT_MOT12.FIX1 J_ACT_MOT12.FIX2 J_ACT_MOT_34.FIX1 J_ACT_MOT_34.FIX2 J_BIROUTE.4 J_BT.1 J_U2ST.FIX1 J_U2ST.FIX2 JcodDroite.FIX1 JcodDroite.FIX2 JcodGauche.FIX1 JcodGauche.FIX2 JMotProp.FIX1 JMotProp.FIX2 PROPULSION.2 PROPULSION.5 PROPULSION.6 PROPULSION.7 PROPULSION.8 PROPULSION.13 PROPULSION.14 PROPULSION.15 PROPULSION.16 PROPULSION.35 PROPULSION.36 Qz.2 Qz.3 STAct.3 STProp.3 STRATEGIE.2 STRATEGIE.5 STRATEGIE.6 STRATEGIE.7 STRATEGIE.8 STRATEGIE.14 STRATEGIE.16 STRATEGIE.20 STRATEGIE.21 STRATEGIE.22 STStrat.3 STSup.3 SUPERVISION.2 SUPERVISION.6 SUPERVISION.13 SUPERVISION.14 SUPERVISION.15 SUPERVISION.16 U1.2 U1.4 U1.5 U1.6 U1.7 U1.8 U1.9 U1.11 U1.12 U1.13 U1.14 U1.16 U1.31 U1.32 U1.33 U1.34 U1.38 U1.41 U1.44 U2.4 U2.6 U2.7 U2.8 U2.9 U2.11 U2.12 U2.14 U2.16 U2.17 U2.18 U2.19 U2.20 U_RTC.7

## Polygon pours and split planes (outlines as drawn)
GND on 3-SIGNAL "3-GND" (solid, pour order 1005): 5025,15215 7745,15215 7745,5025 5025,5025
GND on 2-GND "2-GND" (solid, pour order 1006): 5025,15215 7745,15215 7745,5025 5025,5025
GND on 1-TOP "1-GND" (solid, pour order 1007): 5025,15215 7745,15215 7745,5025 5025,5025
GND on 4-BOT "4-GND" (solid, pour order 1004): 5025,15215 7745,15215 7745,5025 5025,5025
GND_PROP on 4-BOT "4-GND_PROP" (solid, pour order 1000): 5025,5025 7035,5025 7035,6540 6145,7430 5025,7430
GND_STRAT on 4-BOT "4-GND_STRAT" (solid, pour order 1002): 7385,12827 7089.29,12827 6738.31,12469 5025,12469 5025,10076 7385,10076
GND_SUP on 4-BOT "4-GND_SUP" (solid, pour order 1003): 5025,12479 6845,12479 6845,13100 7028,13100 7028,15210 5025,15210
GND_ACT on 4-BOT "4-GND_ACT" (solid, pour order 1001): 7550,6050 7550,10065 6854,10065 6854,10391 6295,10391 6295,10065 5025,10065 5025,7455 6145,7455
no net on Mechanical 2 "PLAQUE" (solid): 1666,15232 7835,15232 7835,4927 1666,4927

## Keep-outs
Keep-Out Layer:
  the board outline again, w10

## Other copper
1-TOP:
  pour cut-out: 6675,15235 7355,15235 7355,14285 6675,14285
  pour cut-out: 7765,15225 7765,14865 5780,14865 5780,15225
2-GND:
  pour cut-out: 7750,15235 7750,14875 5780,14875 5780,15235
  pour cut-out: 7748,15222 7748,14862 5774,14862 5774,15222
  pour cut-out: 6670,15220 7350,15220 7350,14270 6670,14270
3-SIGNAL:
  pour cut-out: 7750,15235 7750,14875 5780,14875 5780,15235
  pour cut-out: 6675,15225 7355,15225 7355,14275 6675,14275
4-BOT:
  pour cut-out: 6675,15230 7355,15230 7355,14280 6675,14280
  pour cut-out: 7765,15225 7765,14865 5780,14865 5780,15225

## Silkscreen, mask and mechanical layers (free items; w line width, h text height)
Top Overlay:
  text "Supervision" at 5090,15100 h80
  text "CAN" at 5695,14586 h60 r90
  text "- H L" at 6108,14516 h60 r90
  text "Vcc" at 7590,14500 h40 r90
  text "2.2k" at 5708,14457 h30
  text "RTC" at 5939,14437 h30 r270
  text "2.2k" at 5710,14325 h30 r180
  text "100n" at 5985,14183.07 h40 r180
  text "3V_Pile" at 6845,14050 h40 r90
  text "EEPROM" at 5765,14033.07 h40
  text "100n" at 5804,13756 h40 r180
  text "EEPROM" at 6285,13745 h60
  text "Prop" at 6135,13720 h40 r270
  text "10u" at 6720,13685 h40
  text "ON   OFF" at 6230,13660 h60
  text "4" at 5705,13603.07 h40 r90
  text "5" at 5670,13568.07 h40 r90
  text "Act" at 6130,13545 h40 r270
  text "14" at 5705,13468.07 h40 r90
  text "15" at 5670,13433.07 h40 r90
  text "Str" at 6130,13425 h40 r270
  text "12" at 5705,13348.07 h40 r90
  text "24V" at 7560,13335 h80 r90
  text "13" at 5665,13313.07 h40 r90
  text "Bal" at 6125,13300 h40 r270
  text "10" at 5700,13233.07 h40 r90
  text "11" at 5660,13205 h40 r90
  text "Robot" at 6130,13170 h40 r270
  text "8" at 5705,13118.07 h40 r90
  text "9" at 5670,13073.07 h40 r90
  text "ON   OFF" at 6225,12985 h60
  text "RB:" at 5695,12955 h40 r90
  text "1k" at 5865,12945 h40 r90
  text "XBee<>CAN" at 6195,12905 h60
  text "5 v 24" at 6940,12905 h40 r90
  text "RB5" at 7422,12744 h60 r90
  text "UART2" at 6043,12540 h60 r90
  text "Strategie" at 5685,12415 h80 r270
  text "5 v 24" at 6940,12275 h40 r90
  text "Choix Strat" at 5995,12235 h60
  text "RB3" at 7437,12167 h60 r90
  text "5V - xx - 24V" at 7330,11950 h40 r90
  text "5 v 24" at 6940,11645 h40 r90
  text "Color" at 6200,11590 h60
  text "Evit" at 6520,11585 h60
  text "RB15" at 7437,11519 h60 r90
  text "ON" at 6830,11450 h40 r90
  text "Rouge" at 6170,11370 h40 r90
  text "5V - xx - 24V" at 7330,11320 h40 r90
  text "OFF" at 6825,11125 h40 r90
  text "Bleu" at 6170,11060 h40 r90
  text "RG8" at 5795,11019 h40
  text "5 v 24" at 6940,11015 h40 r90
  text "Biroute" at 5720,10874 h60
  text "RB13" at 7420,10860 h60 r90
  text "-  v  +" at 6089,10742 h40 r180
  text "5V - xx - 24V" at 7330,10690 h40 r90
  text "5 v 24" at 6940,10385 h40 r90
  text "UART2" at 5807,10369 h60
  text "5 v 24" at 6400,10335 h40 r90
  text "5V - xx - 24V" at 7330,10060 h40 r90
  text "Strat>RB9" at 7425,10060 h60 r90
  text "Act>RB3" at 6306,10028 h60 r90
  text "5V - xx - 24V" at 6748,10005 h40 r90
  text "Moteurs 3-4" at 7267,9901 h40 r270
  text "RG3" at 5925,9839.41 h40 r90
  text "RG7" at 6261,9746 h40
  text "Actionneur" at 5649,9677 h80 r270
  text "RD0_IC8" at 6182,9672 h40
  text "RA14_INT3" at 6136,9600 h40
  text "Moteurs 1-2" at 6745,9535 h40 r90
  text "RA15_INT4" at 6058,9525 h40
  text "RG3_SDA" at 5985,9459 h40
  text "RG2_SCL" at 5886,9382 h40
  text "NMOS" at 5810,9157 h40 r90
  text "100" at 5714,9069 h40
  text "Codeur QEx" at 6590,8715 h60 r90
  text "Codeur INTx" at 6925,8685 h60 r90
  text "TOR" at 6079,8620 h40
  text "GND" at 6291,8619 h40
  text "24V" at 6493,8618 h40
  text "5 v 24" at 7155,8445 h40 r90
  text "RB2" at 7053,8332 h60 r90
  text "Nirgal - Made in Angers - Usinage ELCO-PCB" at 7613,8312 h200 r270
  text "RB13" at 6528,8278 h60
  text "GND" at 6518,8173 h60
  text "5V - xx - 24V" at 7545,8120 h40 r90
  text "RB12" at 6518,8068 h60
  text "GND" at 6518,7958 h60
  text "max485" at 5914,7899 h40 r180
  text "SERVOS" at 6447,7882 h60
  text "Cde" at 6354,7832 h40
  text "12V" at 6749,7830 h40
  text "GND" at 6551,7826 h40
  text "-  +12V" at 7282,7608 h60 r90
  text "Tiny & Krusty" at 5748,7511 h300
  text "Propulsion" at 5655,7315 h80 r270
  text "2013" at 6110,7277 h300
  text "5 v 24" at 7160,7240 h40 r90
  text "RB9" at 7044,7110 h60 r90
  text "5V - xx - 24V" at 7550,6915 h40 r90
  text "CAN" at 7086.93,6836.85 h40 r90
  text "GND" at 5845.85,6700.07 h60 r90
  text "RB2" at 5940.85,6695.07 h60 r90
  text "GND" at 6035.85,6695.07 h60 r90
  text "RB3" at 6125.85,6695.07 h60 r90
  text "5 v 24" at 7160,6610 h40 r90
  text "CPLD" at 6215,6595 h80
  text "RB8" at 7063,6494 h60 r90
  text "5V - xx - 24V" at 7550,6285 h40 r90
  text "CodeurG" at 6976,6228 h80 r270
  text "CodeurD" at 6980,5619 h80 r270
  text "Oscillateur_24MHz" at 6722,5130 h40 r180
Bottom Overlay:
  text "BlueSmirfGold" at 7135,15190 h80 r90
  text "Module BlueTooth" at 6970,15115 h80 r90
  text "+8V" at 7428,15019 h60 r90
  text "GND" at 7422,14815 h60 r90
  text "+8V" at 7598,14507 h60
  text "CAN" at 5899,14500 h60 r180
  text "Balise" at 7421,14445 h60 r90
  text "GND" at 7450,14063 h60 r180
  text "1k" at 5755,13688.07 h40
  text "CR2032_3V" at 6468,13668 h40
  text "24V" at 7293,13473 h60 r90
  text "GND" at 7301,13265 h60 r90
  text "1k" at 5895,13108.07 h40 r180
  text "1k" at 5695,13038.07 h40 r180
  text "trous :" at 7498,12970 h60 r90
  text "pistes :" at 7403,12964 h60 r90
  text "vias :" at 7586,12963 h60 r90
  text "RB5" at 6955,12920 h60 r90
  text "RB5" at 7740,12906 h60 r90
  text "BAT54C" at 6405,12715 h40 r90
  text ".Via_Count" at 7581,12598 h60 r90
  text ".Hole_Count" at 7504,12591 h60 r90
  text ".Track_Count" at 7404,12517 h60 r90
  text "RB3" at 6965,12333 h60 r90
  text "RB3" at 7740,12287 h60 r90
  text "composants :" at 7505,12269 h60 r90
  text "nets :" at 7406,12122 h60 r90
  text ".Net_Count" at 7409,11795 h60 r90
  text "RB12" at 6985,11705 h60 r90
  text "RB12" at 7747,11694 h60 r90
  text "NMOS" at 5759,11586 h40
  text ".Component_Count" at 7505,11582 h60 r90
  text "RB13" at 6973,11063 h60 r90
  text "RB13" at 7731,11040 h60 r90
  text "Biroute" at 6081,10928 h60
  text "Strat>RB9" at 6938,10586 h60 r90
  text "Act>RB3" at 6391,10477 h60 r90
  text "RB9" at 7721,10436 h60 r90
  text "UART2" at 5660,10176 h40 r90
  text "Moteurs 3-4" at 7718,10006 h40
  text "Moteurs 1-2" at 6250,9935 h40 r90
  text "Codeur QEx" at 6750,9300 h60
  text "Codeur INTx" at 7600,9295 h60
  text "RB2" at 7112,8491 h60 r90
  text "RB2" at 7744,8474 h60 r90
  text "TOR1" at 6701,8381 h60 r270
  text "+12V" at 7263,8094 h60 r90
  text "GND" at 7264,7621 h60 r90
  text "SERVOS" at 6380,7551 h60 r180
  text "RB9" at 7729,7230 h60 r90
  text "RB9" at 7164,7218 h60 r90
  text "MOTEURS PROP." at 6975,7190 h60
  text "Bouchon CAN" at 5225,6930 h40 r270
  text "GND" at 5843.85,6860.07 h60 r90
  text "RB2" at 5938.85,6855.07 h60 r90
  text "GND" at 6033.85,6855.07 h60 r90
  text "RB3" at 6123.85,6855.07 h60 r90
  text "RB8" at 7145,6657 h60 r90
  text "RB8" at 7729,6611 h60 r90
  text "100n" at 6098.07,6213.15 h40 r180
  text "Codeur G" at 7521,6197 h60 r90
  text "100n" at 6313.07,6113.15 h40 r90
  text "10k" at 6713.07,6078.15 h40 r270
  text "100n" at 6013.07,5958.15 h40 r270
  text "100n" at 6433.07,5653.15 h40
  text "CodeurD" at 7525,5648 h60 r90
Mechanical 2:
  pour cut-out: 6710,5068 6710,5663 7452,5663 7452,5068
  pour cut-out: 6787,5628 6787,6279 7548,6279 7548,5628
  pour cut-out: 7557,6248 7250,6248 7250,7482 7557,7482
  pour cut-out: 7026,7224 7026,6573 6209,6573 6209,7224
  pour cut-out: 6236,7099 6236,6829 5713,6829 5713,7099
  pour cut-out: 6975,7966 6975,7446 6185,7446 6185,7966
  pour cut-out: 6690,9283 6690,8112 5962,8112 5962,9283
  pour cut-out: 6480,8665 6480,9316 7636,9316 7636,8665
  pour cut-out: 7520,8095 7230,8095 7230,8912 7520,8912
  pour cut-out: 7774,10018 7774,9367 6276,9367 6276,10018
  pour cut-out: 6497,10538 6793,10538 6793,9979.5 6497,9979.5
  pour cut-out: 6989,13117 7327,13117 7327,10608 6989,10608
  pour cut-out: 5594,11014 6245,11014 6245,9959 5594,9959
  pour cut-out: 6631,15245 7377,15245 7377,13463 6631,13463
  pour cut-out: 5665,14470 5665,14841 6102,14841 6102,14470
  pour cut-out: 6299,13936 6299,15253 7853.5,15253 7853.5,13936

## Dimensions
6850.39,6417.32 to 5000,5000 on Mechanical 15
5000,5000 to 7770,5000 on Mechanical 15
5000,15236.22 to 5000,5000 on Mechanical 15
5905.51,5196.85 to 5000,5000 on Mechanical 15
5905.51,5196.85 to 5000,5000 on Mechanical 15
5905.51,7283.46 to 5000,5000 on Mechanical 15
5905.51,7283.46 to 5905.51,5196.85 on Mechanical 15
5905.51,9842.52 to 5905.51,7283.46 on Mechanical 15
5905.51,9842.52 to 5905.51,12401.57 on Mechanical 15
5905.51,12401.57 to 5905.51,14960.63 on Mechanical 15
6850.39,6417.32 to 7770,5000 on Mechanical 15
6850.39,8110.24 to 6850.39,6417.32 on Mechanical 15
6850.39,8110.24 to 7612.6,11220.47 on Mechanical 15
7612.6,11220.47 to 7770,15236.22 on Mechanical 15
7612.6,13779.53 to 5000,15236.22 on Mechanical 15
5905.51,14960.63 to 7770,15236.22 on Mechanical 15

## Text inside footprints (layer, text, board x,y; h text height)
U2: Top Overlay "MODULE" at 6505,14915 h118.11